# Altium PCB STM32_Controller_V2.0_ZET6.PcbDoc (part 2 of 2)
Units mil, origin at the board's own origin, x right, y up, seen from the top; angles counter-clockwise.
Board outline 3257.01 x 1920.53 mil, 2 copper layers (Top Layer, Bottom Layer); 111 components, 111 nets, 559 pads, 198 vias.
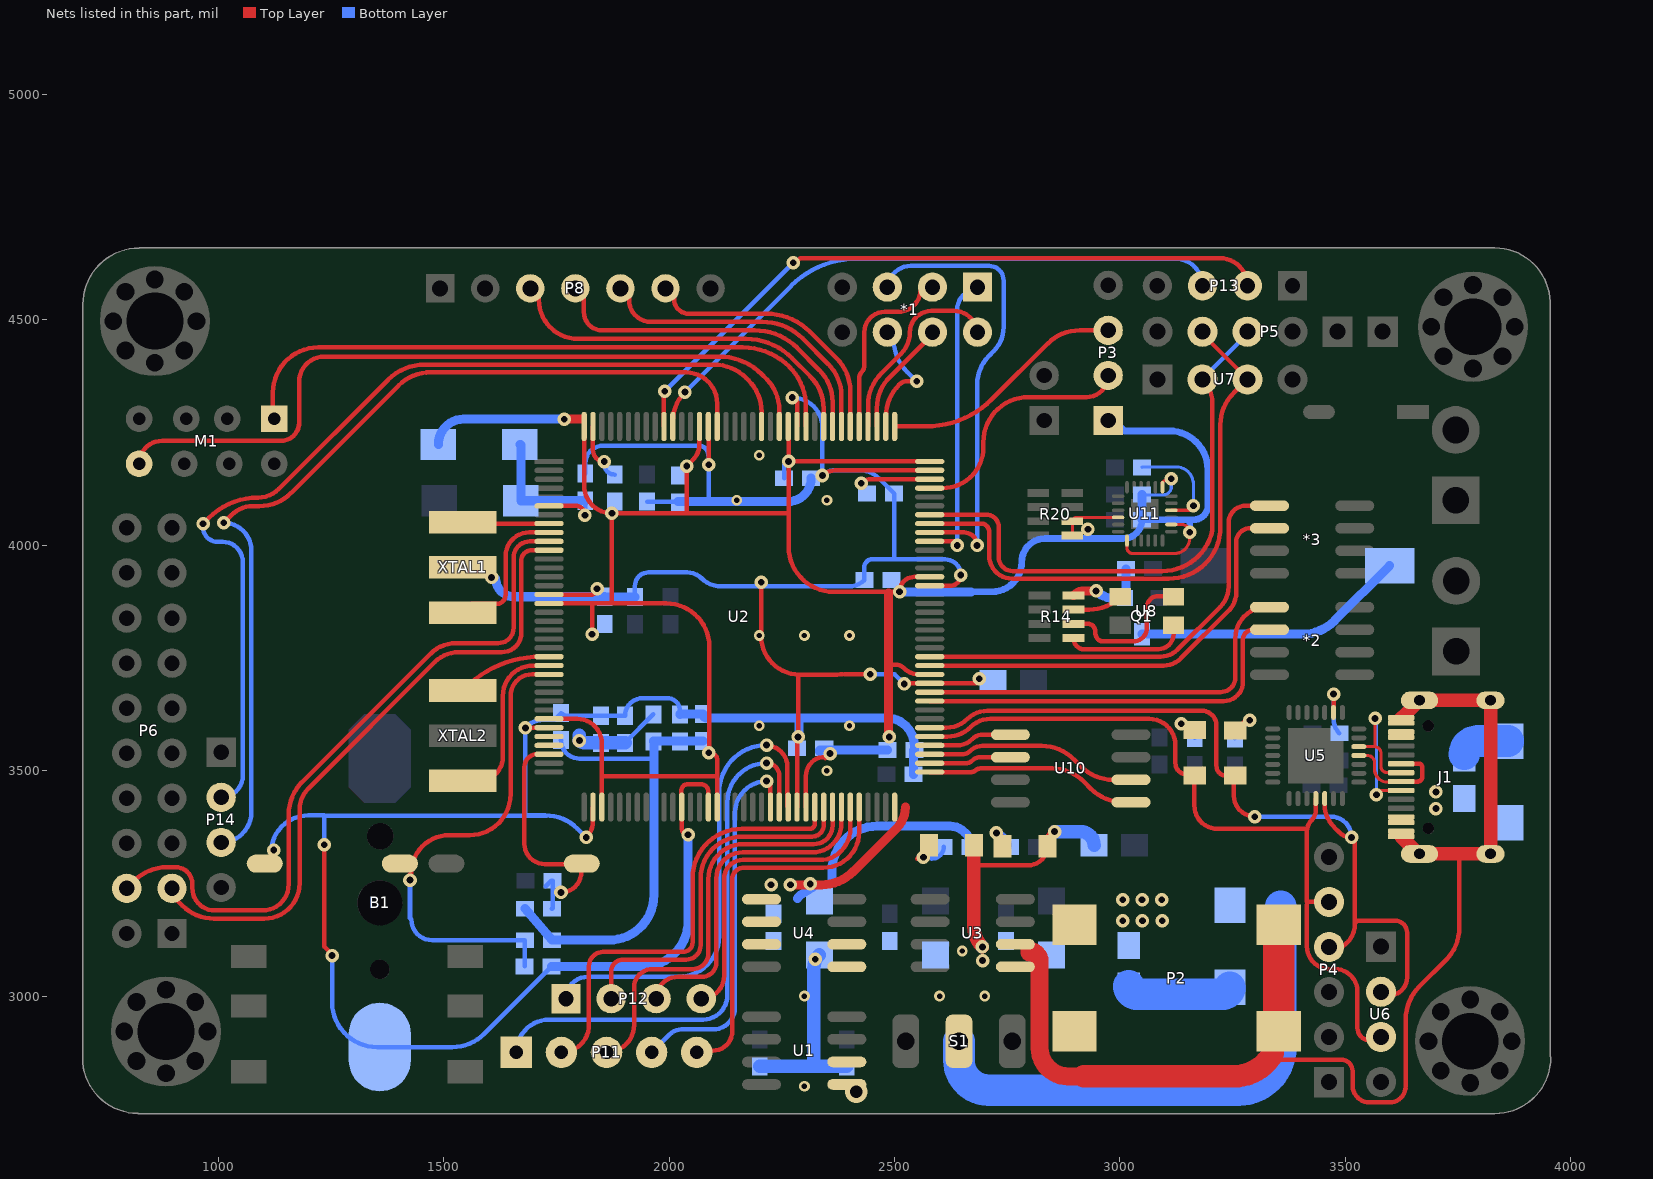
[diagram p2: the nets of this part, all layers, seen from the top]

## Via types
v1: diameter 30, hole 15, Top Layer to Bottom Layer, 128 vias
v2: diameter 24, hole 12, Top Layer to Bottom Layer, 65 vias
v3: diameter 35.43, hole 35.43, Top Layer to Bottom Layer, 2 vias
v4: diameter 50, hole 28, Top Layer to Bottom Layer, 1 vias
v5: diameter 62.99, hole 62.99, Top Layer to Bottom Layer, 1 vias
v6: diameter 70.87, hole 70.87, Top Layer to Bottom Layer, 1 vias

## Nets (pads, with @x,y where several pads share a name; then routed paths per layer and width w, separated by ;. In a path a pad name is that pad's centre, name@x,y a point inside that pad or via, vN(x,y) a via of type N, cw(c..) or ccw(c..) an arc to the next point about the centre after c; other vN are vias at no path point) (continued)
NetC14_1: C14.1 U2.106 | length 154.3
  Top Layer w10: v1(2426,4138) cw(c2447.14,4116.86) 2447.14,4146.76 U2.106@2578,4146.76
NetC15_1: C15.1 C16.1 R12.1 U2.32 U2.33 | length 203.4
  Bottom Layer w10: C16.1@1902,3562 R12.1@1965,3625
  Bottom Layer w30: v1@1800.78,3578.78 v1(1800.78,3567) ccw(c1812.85,3579.07) 1812.85,3562 C15.1@1849,3562 C16.1@1902,3562
NetC32_2: C32.2 U11.10 | length 239
  Top Layer w7: U11.10@3114.11,4077.75 3152.75,4077.75 ccw(c3152.75,4088) v1(3163,4088)
  Bottom Layer w7: C32.2@3049,4173 cw(c3050,4173) 3050,4174 3125,4174 cw(c3125,4136) 3163,4136 v1(3163,4088)
NetD1_1: D1.1 R1.2 | length 113.6
  Bottom Layer w70: R1.2@3764.2,3536.47 cw(c3793.67,3536.47) 3793.67,3565.94 D1.1@3861,3565.94
NetD3_1: D3.1 R4.2 | length 243.6
  Bottom Layer w70: R4.2@3019.8,3022.51 ccw(c3038.05,3022.51) 3038.05,3004.25 3228.25,3004.25 ccw(c3228.25,3020) D3.1@3244,3020
NetLED1_1: LED1.1 R5.2 | length 77.5
  Top Layer w10: v1(3136,3604) 3138.75,3601.25 ccw(c3166,3628.5) LED1.1@3166,3589.97
  Bottom Layer w10: v1(3136,3604) 3165.26,3574.74 cw(c3163.49,3572.97) R5.2@3166,3572.97
NetLED2_1: LED2.1 R6.2 | length 93.6
  Top Layer w10: LED2.1@3256,3588.97 3272.69,3605.66 cw(c3288,3590.35) v1(3288,3612)
  Bottom Layer w10: R6.2@3255,3571.97 cw(c3271.97,3571.97) 3259.96,3583.96 v1(3288,3612)
NetLED3_1: LED3.1 R9.2 | length 121.2
  Top Layer w10: v1(2564,3308) 2553,3308 2550,3305 ccw(c2550,3331) 2576,3331 LED3.1@2576,3335
  Bottom Layer w10: v1(2564,3308) 2580,3308 2583,3305 ccw(c2583,3331) R9.2@2609,3331
NetLED4_1: LED4.1 R11.2 | length 84.5
  Top Layer w10: v1(2726,3362) cw(c2726,3349) 2739,3349 LED4.1@2739,3333
  Bottom Layer w10: v1(2726,3362) cw(c2726,3332) 2756,3332 R11.2@2756,3331
NetP2_1: P2.1 R4.1
  other v1: 3006,3167 3050,3167 3094,3167 3006,3214 3049,3214 3093,3214
NetQ1_1: Q1.1 R14.7 R17.2 | length 193.9
  Top Layer w10: v1(2947,3899) v1@2953.76,3899
  Top Layer w20: R14.7@2897,3889 cw(c2921.14,3864.86) 2921.14,3899 v1(2947,3899)
  Bottom Layer w20: v1(2947,3899) ccw(c2985.63,3937.63) 2985.63,3883 Q1.1@3011,3883 3013.48,3885.48 3013.48,3947.52 R17.2@3013,3948
NetQ1_3: Q1.3 U9.2 | length 608.1
  Bottom Layer w20: Q1.3@3049,3803 3405.03,3803 ccw(c3405.03,3903) 3475.74,3832.29 U9.2@3598.45,3955
NetR7_2: R7.2 U5.9 | length 131.3
  Top Layer w10: U5.9@3473.9,3629.22 3473.9,3669.9 v1(3474,3670)
  Bottom Layer w10: v1(3474,3670) 3474,3614.38 ccw(c3518.38,3614.38) R7.2@3487,3583
NetR13_1: R13.1 U2.143 | length 134.3
  Top Layer w10: U2.143@1830.95,4263.88 1830.95,4211.05 ccw(c1856,4211.05) v1(1856,4186)
  Bottom Layer w10: v1(1856,4186) 1856,4180 ccw(c1879,4180) R13.1@1879,4157
NetR14_1: R14.1 U8.4 | length 275.4
  Top Layer w10: R14.1@2897,3794.51 ccw(c2923.51,3794.51) 2910.67,3771.32 ccw(c2915.53,3780.06) 2915.58,3770.06 3086.06,3770.06 ccw(c3086.06,3803) 3119,3803 U8.4@3119,3822.86
NetR14_3: R14.3 U8.3 | length 321.6
  Top Layer w10: R14.3@2897,3826.01 2928.99,3826.01 cw(c2928.99,3810) 2945,3810 2945,3807.16 ccw(c2966.44,3807.16) 2956.33,3788.25 ccw(c2961.08,3797.06) 2961.12,3787.06 3030.06,3787.06 ccw(c3030.06,3817) 3060,3817 3060,3863 cw(c3084,3863) 3084,3887 U8.3@3117.85,3887
NetR14_5: R14.5 U8.1 | length 111.5
  Top Layer w10: R14.5@2897,3857.5 2932.46,3857.5 ccw(c2932.46,3954.29) U8.1@3000.89,3885.85
NRF_CE: *1.6 U2.110 | length 303.7
  Top Layer w10: U2.110@2480.56,4263.88 2480.56,4285.14 cw(c2580.56,4285.14) 2509.85,4355.85 2512,4358 cw(c2526.49,4343.51) 2526.49,4364 v1(2549,4364) ; *1.6@2480.56,4464.56 cw(c2498,4464.56) *1.6@2498,4482
  Bottom Layer w10: *1.6@2498,4482 2498,4456.42 ccw(c2598,4456.42) 2527.29,4385.71 v1(2549,4364)
NRF_CSN: *1.3 U2.100 | length 1032.4
  Top Layer w10: U2.100@2578,4028.65 2654.35,4028.65 cw(c2654.35,4000) v1(2683,4000)
  Bottom Layer w10: *1.3@2484,4568 cw(c2536,4568) 2536,4620 2709.68,4620 cw(c2709.68,4587.69) 2742,4587.69 2742,4484 cw(c2667.16,4484) 2720.08,4431.08 2710,4421 ccw(c2775.18,4355.82) 2683,4355.82 v1(2683,4000)
NRF_IRQ: *1.1 U2.99 | length 659.8
  Top Layer w10: U2.99@2578,4008.96 2630.04,4008.96 cw(c2630.04,4000) v1(2639,4000)
  Bottom Layer w10: v1(2639,4000) 2639,4523 cw(c2684,4523) *1.1@2684,4568
NRST: C3.1 K1.1 R2.1 U2.25 | length 1093.4
  Top Layer w10: v1(1425,3257.57) 1425,3270.15 1428,3273.15 cw(c1511.85,3273.15) 1511.85,3357 1557.24,3357 ccw(c1557.24,3447.76) 1648,3447.76 1648,3666 cw(c1696,3666) 1696,3714 1733.51,3714 U2.25@1733.51,3713.68
  Bottom Layer w10: v1(1425,3257.57) 1425,3173 1428,3170 ccw(c1474,3170) 1474,3124 R2.1@1680,3124 ccw(c1680,3123.28) 1679.28,3123.28 C3.1@1679.28,3066
OLED_D0: P8.3 U2.117 | length 827.3
  Top Layer w10: P8.3@1710.88,4573.23 1710.88,4545 ccw(c1797.88,4545) 1797.88,4458 2170.19,4458 cw(c2170.19,4313.62) 2272.29,4415.71 2313.47,4374.53 cw(c2242.76,4303.81) 2342.76,4303.81 U2.117@2342.76,4263.88
OLED_D1: P8.4 U2.116 | length 764.9
  Top Layer w10: P8.4@1810.88,4573.23 1810.88,4517 ccw(c1850.88,4517) 1850.88,4477 2189.85,4477 cw(c2189.85,4343.85) 2284,4438 2333.16,4388.84 cw(c2262.45,4318.13) 2362.45,4318.13 U2.116@2362.45,4263.88
OLED_DC: P8.6 U2.114 | length 600.2
  Top Layer w10: P8.6@2010.88,4573.23 2010.88,4546.12 ccw(c2043,4546.12) 2043,4514 2215.02,4514 cw(c2215.02,4376.44) 2312.29,4473.71 2372.53,4413.47 cw(c2301.82,4342.76) 2401.82,4342.76 U2.114@2401.82,4263.88
OLED_RES: P8.5 U2.115 | length 678.1
  Top Layer w10: P8.5@1910.88,4573.23 1911,4573.23 1911,4544.11 ccw(c1959.11,4544.11) 1959.11,4496 2206.67,4496 cw(c2206.67,4369.67) 2296,4459 2352.84,4402.16 cw(c2282.13,4331.44) 2382.13,4331.44 U2.115@2382.13,4263.88
OSC32_IN: U2.8 XTAL1.1 | length 193
  Top Layer w10: XTAL1.1@1542,4051 ccw(c1544.67,4051) 1544.67,4048.33 U2.8@1733.51,4048.33
OSC32_OUT: U2.9 XTAL1.2 | length 329.8
  Top Layer w10: XTAL1.2@1542,3851 cw(c1561,3851) 1561,3870 1617,3870 ccw(c1617,3890) 1637,3890 1637,3976 cw(c1689.65,3976) 1689.65,4028.65 U2.9@1733.51,4028.65
OSC_IN: U2.24 XTAL2.2 | length 381.3
  Top Layer w10: XTAL2.2@1556.36,3478.02 1579.02,3478.02 ccw(c1579.02,3530) 1631,3530 1631,3666 cw(c1698.37,3666) 1698.37,3733.37 U2.24@1733.51,3733.37
OSC_OUT: U2.23 XTAL2.1 | length 256.1
  Top Layer w10: XTAL2.1@1542,3678.02 1547.54,3683.56 cw(c1715.18,3516.11) 1715.18,3753.06 1715.24,3753.06 U2.23@1733.51,3753.06 ; XTAL2.1@1556.36,3678.02 XTAL2.1@1600.02,3678.02
POWER_GND: C1.1 C2.1 C4.2 C5.2 C6.1 C7.2 C8.1 C9.1 J1.A1 J1.A12 J1.B1 J1.B12 J1.SH1 J1.SH2 J1.SH3 J1.SH4 LED3.2 LED4.2 P2.2 P2.3 R19.2 U1.1 U1.2 U3.1 U3.2 U4.1 U4.2 | length 3807.5
  Top Layer w10: 2680,3290 2796,3290 ccw(c2796,3333) LED4.2@2839,3333 2839,3349 cw(c2855,3349) v1(2855,3365) ; 3339.09,2872.85 ccw(c3352.94,2872.85) 3352.94,2859 3491,2859 cw(c3491,2834) 3516,2834 3516,2802 ccw(c3554,2802) 3554,2764 3598,2764 ccw(c3598,2800) 3634,2800 3634,2891 3634,2948.16 cw(c3737.41,2948.16) 3664.29,3021.29 3723.71,3080.71 ccw(c3653,3151.42) 3753,3151.42 3753,3314 ; P2.3@3352,2922 cw(c3384,2922) P2.3@3384,2954
  Top Layer w30: LED3.2@2676,3335 2676,3154.87 ccw(c2740.87,3154.87) v1(2695,3109) ; J1.A1@3623.75,3353.95 3660.33,3317.37 ccw(c3664.69,3321.74) J1.SH3@3664.69,3315.57 3753,3315.57 J1.SH2@3822.17,3315.57 J1.SH1@3822.17,3656.12 J1.SH4@3664.69,3656.12 3628.12,3619.54 cw(c3623.75,3623.91) J1.A12@3623.75,3617.73
  Top Layer w40: 2799,3097 2799,3100 cw(c2799,3077) 2822,3077 2822,2885 ccw(c2885,2885) 2885,2822 2920,2822
  Top Layer w50: 2920,2822 3252,2822 ccw(c3252,2922) 3339.09,2872.85
  Top Layer w70: P2.3@3352,2922 P2.2@3352,3158.22
  Bottom Layer w30: C1.1@2201,2844 2321,2844 ; C5.2@2333.13,3091.21 ccw(c2362.43,3061.92) 2321,3061.92 2321,2844 ; C2.1@2394,2844 2321,2844 ; v1(2855,3365) 2912.72,3365 cw(c2912.72,3335.2) R19.2@2942.51,3335.2
  other v1: 2695.17,3078.98 2324,3082
  other v2: 2300,2800 2300,3000 2600,3000 2700,3000 2650,3100
  other v4: 2415,2788
SIO_C: P6.2 U2.11 | length 1454.1
  Top Layer w10: P6.2@923.15,3239 P6.2@897,3239 ccw(c933.21,3239) 907.61,3213.39 920,3201 ccw(c990.01,3271.01) 990.01,3172 1102,3172 ccw(c1102,3250) 1180,3250 1180,3413.72 cw(c1245.86,3413.72) 1199.29,3460.29 1480.49,3741.49 cw(c1532.42,3689.56) 1532.42,3763 1629,3763 ccw(c1629,3806) 1672,3806 1672,3966 cw(c1695.28,3966) 1695.28,3989.28 U2.11@1733.51,3989.28
SIO_D: P6.19 U2.10 | length 1569.3
  Top Layer w10: P6.19@796.61,3239 814.32,3256.71 cw(c885.03,3186) 885.03,3286 905.51,3286 cw(c905.51,3249.51) 942,3249.51 942,3240 ccw(c992,3240) 992,3190 1098,3190 ccw(c1098,3248) 1156,3248 1156,3403.58 cw(c1256,3403.58) 1185.29,3474.29 1471.07,3760.07 cw(c1526.42,3704.73) 1526.42,3783 1621,3783 ccw(c1621,3817) 1655,3817 1655,3973 cw(c1690.96,3973) 1690.96,4008.96 U2.10@1733.51,4008.96
SPI2_MISO: U2.75 U10.2 | length 474.1
  Top Layer w10: U2.75@2578,3536.52 2650.15,3536.52 ccw(c2650.15,3560.85) 2667.35,3543.65 cw(c2694.77,3516.23) 2694.77,3555 2826.58,3555 cw(c2826.58,3455) 2897.29,3525.71 2913.71,3509.29 ccw(c2984.42,3580) 2984.42,3480 U10.2@3024.72,3480
SPI2_MOSI: U2.76 U10.5 | length 185.4
  Top Layer w10: U2.76@2578,3556.2 2638.7,3556.2 ccw(c2638.7,3603.3) 2672,3570 cw(c2696.14,3545.86) 2696.14,3580 U10.5@2757,3580
SPI2_NSS: U2.73 U10.1 | length 471.3
  Top Layer w10: U2.73@2578,3497.15 2670.7,3497.15 ccw(c2670.7,3510.3) 2680,3501 cw(c2689.66,3491.34) 2689.66,3505 2830.36,3505 2830.43,3505 2849.58,3505 cw(c2849.58,3405) 2920.29,3475.71 2936.71,3459.29 ccw(c3007.42,3530) 3007.42,3430 U10.1@3024.72,3430
SPI2_SCK: U2.74 U10.6 | length 182.5
  Top Layer w10: U2.74@2578,3516.83 2658.12,3516.83 ccw(c2658.12,3537.88) 2673,3523 cw(c2689.9,3506.1) 2689.9,3530 U10.6@2757,3530
SPI3_CLK: *1.7 U2.111 | length 270.8
  Top Layer w10: U2.111@2460.87,4263.88 2460.87,4304.87 cw(c2557.44,4304.87) 2489.16,4373.16 *1.7@2598,4482
SPI3_MISO: *1.8 U2.112 | length 453.7
  Top Layer w10: U2.112@2441.19,4263.88 2441.19,4310.77 cw(c2541.19,4310.77) 2470.48,4381.48 2514.5,4425.5 ccw(c2467.42,4472.58) 2534,4472.58 cw(c2581.42,4472.58) 2581.42,4520 2632,4520 cw(c2632,4468) *1.8@2684,4468 ; *1.8@2698,4482 *1.8@2698,4489
SPI3_MOSI: *1.2 U2.113 | length 429.4
  Top Layer w10: U2.113@2421.5,4263.88 2421.5,4370.32 cw(c2443.68,4370.32) 2428,4386 ccw(c2415.93,4398.07) 2433,4398.07 2433,4473 cw(c2478,4473) 2478,4518 2507.72,4518 ccw(c2507.72,4568) 2557.72,4568 2573,4568 *1.2@2584,4568 ; *1.2@2589.5,4573.5 *1.2@2598,4582
SWCLK: P3.2 U2.109 | length 548.8
  Top Layer w10: U2.109@2500.24,4263.88 2569.46,4263.88 ccw(c2569.46,4472.52) 2716.99,4324.99 2839.71,4447.71 cw(c2910.42,4377) 2910.42,4477 P3.2@2974,4477
SWDIO: P3.3 U2.105 | length 543.8
  Top Layer w10: U2.105@2578,4127.07 2607.07,4127.07 ccw(c2607.07,4217) 2624.84,4128.84 ccw(c2607.07,4217) 2695.23,4199.23 ccw(c2607.07,4217) 2697,4217 2697,4229 cw(c2797,4229) 2797,4329 2926,4329 ccw(c2926,4377) P3.3@2974,4377
SYS_3.3V: C5.1 C6.2 C18.2 C19.2 C20.2 C21.2 C22.2 C23.2 C24.2 C25.2 C26.2 C30.2 C31.2 D4.1 P3.4 R2.2 R9.1 R12.2 R13.2 R20.1 R20.3 R21.1 U2.17 U2.30 U2.39 U2.52 U2.62 U2.72 U2.84 U2.95 U2.108 U2.121 U2.131 U2.144 U4.5 U4.6 U4.7 U11.1 U11.8 U11.13 U11.22 | length 8104.1
  Top Layer w7: R20.1@2894.59,4022.01 R20.3@2894.59,4053.5 cw(c2903.09,4053.5) 2903.09,4062 U11.22@2996,4062 U11.22@3000,4062 ; U11.1@3015.68,4010.82 3015.68,3994.32 ccw(c3028,3994.32) 3028,3982 3121,3982 ccw(c3121,4016) 3155,4016 v1(3155,4029) ccw(c3137.75,4029) 3137.75,4046.25 U11.8@3114.11,4046.25 ; U11.13@3094.43,4128.93 3094.43,4137.97 ccw(c3092.97,4137.97) 3094,4139 3095.22,4140.22 cw(c3114,4121.44) 3113.5,4148 cw(c3114,4121.44) v1(3114,4148)
  Top Layer w10: U2.30@1733.51,3615.26 1795.74,3615.26 cw(c1795.74,3560.36) 1850.64,3560.36 U2.39@1850.64,3419.39 ; U2.17@1733.51,3871.17 1829,3871.17 ; U2.144@1811.27,4263.88 1811.27,4132.73 ccw(c1873,4132.73) v1(1873,4071) ; v1(1829,3803) 1829,3871.17 ; 1851,3488 2104.54,3488 cw(c2104.54,3486) 2106.54,3486 ; U2.131@2067.17,4263.88 2067.17,4225 cw(c2016.89,4225) 2052.45,4189.45 v1(2039,4176) 2039,4075.83 ccw(c2045.83,4075.83) 2041,4071 ; U2.52@2106.54,3419.39 2106.54,3486 ; U2.121@2264.02,4263.88 2265,4262.88 v1(2265,4186.13) ; U2.62@2303.39,3419.39 2303.39,3488.39 cw(c2346,3488.39) 2346,3531 v1@2346,3528 ; 2487,3735 2503.1,3735 cw(c2503.1,3711.1) 2520,3728 ccw(c2554.56,3762.56) 2554.56,3713.68 U2.84@2578,3713.68 ; U2.95@2578,3930.22 2544.22,3930.22 ccw(c2544.22,3897) v1(2511,3897) 2365,3897 cw(c2365,3997) 2265,3997 2265,4072 ; U2.108@2578,4186.13 v1(2265,4186.13) ; 1829,3871.17 1873,3871.17 ; 1873,3871.17 v1(1873,4071) ; 1873,3871.17 1993.39,3871.17 cw(c1993.39,3775.55) 2089,3775.55 2089,3541 v1(2088,3540) 2091.39,3540 2093.39,3538 cw(c2093.39,3524.84) 2106.54,3524.84 2106.54,3486 ; v1(1873,4071) 2041,4071 ; 2041,4071 2262.59,4071 ccw(c2262.59,4074.41) 2265,4072 ; 2265,4072 v1(2265,4186.13)
  Top Layer w20: v1(1767,4280) 1804,4280 ; v1(2269,3247) 2337.58,3247 ccw(c2337.58,3347) 2408.29,3276.29 2504.91,3372.91 ccw(c2458.82,3419) 2524,3419 ; 2487,3894 2487,3735 2487,3576 v1(2488,3575)
  Bottom Layer w7: C30.2@3049,4113 ccw(c3050,4113) 3050,4112 3096,4112 ccw(c3096,4130) 3114,4130 v1(3114,4148)
  Bottom Layer w10: C18.2@1760,3568 ccw(c1801,3568) 1801,3527 1966,3527 1967,3527 ; C25.2@2255,4149 2255,4176.13 cw(c2265,4176.13) v1(2265,4186.13)
  Bottom Layer w15: 2670,3897 2716,3897 ccw(c2716,3963) 2782,3963 cw(c2834,3963) 2834,4015 2929,4015 2931,4015 ; v1(2929,4036) 2929,4017 ccw(c2931,4017) 2931,4015 ; P3.4@2974,4277 2987.53,4277 3010.53,4254 3109,4254 cw(c3109,4168) 3195,4168 3195,4088 cw(c3164,4088) 3164,4057 3155,4057 3154,4057 ; v1(3155,4029) 3155,4054.59 ccw(c3151.59,4054.59) 3154,4057 ; 2931,4015 3007,4015 ccw(c3007,4057) C31.2@3049,4057 3154,4057
  Bottom Layer w20: D4.1@1487.9,4224 cw(c1543.9,4224) 1543.9,4280 v1(1767,4280) ; R21.1@1680,3194 R2.2@1740,3124 1866,3124 ccw(c1866,3224) 1966,3224 1966,3527 R12.2@1966,3566 ; R12.2@1965,3565 cw(c1966,3565) R12.2@1966,3566 ; C19.2@2075,3566 R12.2@1966,3566 ; 2284.31,3217 2291.31,3224 2308.97,3235.66 2314.56,3239.35 v1@2317.6,3241.35 ; C23.2@2333,3543 cw(c2336,3543) 2336,3546 C24.2@2484,3546 ; 2361,3256 2361,3277 cw(c2461,3277) 2461,3377 2623,3377 cw(c2623,3331) R9.1@2669,3331 ; v1(2511,3897) 2670,3897 ; C31.2@3049,4057 3049,4112 C30.2@3049,4113
  other v1: 2226,3247 2313,3249 2357,3538
SYS_GND: B1.2 C3.2 C13.2 C14.2 C15.2 C16.2 C17.1 C18.1 C19.1 C20.1 C21.1 C22.1 C23.1 C24.1 C25.1 C26.1 K1.2 R8.2 R16.2 R18.2 U2.16 U2.31 U2.38 U2.48 U2.51 U2.61 U2.83 U2.94 U2.107 U2.120 U2.130 XTAL1.3 | length 8129.5
  Top Layer w10: v1(1235,3336) 1235,3110 v1@1251,3094 ; v1(1681,3595) cw(c1682.39,3593.61) 1682.39,3595.57 U2.31@1733.51,3595.57 ; U2.16@1733.51,3890.85 1826.85,3890.85 ccw(c1826.85,3904) v1(1840,3904) ; v1(1816,3352) ccw(c1779.9,3388.1) 1830.95,3388.1 U2.38@1830.95,3419.39 ; v1(2042,3358) cw(c2042,3372.2) 2027.8,3372.2 U2.48@2027.8,3419.39 cw(c2027.8,3420.2) 2027,3420.2 2027,3456 cw(c2041,3456) 2041,3470 2071,3470 cw(c2071,3454.14) 2086.86,3454.14 U2.51@2086.86,3419.39 ; U2.130@2086.86,4263.88 cw(c2086.86,4262.74) 2088,4262.74 v1(2088,4179) ; v1(2204,3918) 2204,3798.57 ccw(c2289.37,3798.57) 2289.37,3713.21 2372.97,3713.21 cw(c2385.57,3614.44) 2385.57,3714 ; v1(2273,4328) cw(c2273,4317.29) 2283.71,4317.29 U2.120@2283.71,4263.88 ; U2.61@2283.71,3419.39 v1@2283.71,3566.29 ; v1(2286,3575) 2286,3712 ; v1(2340,4155) cw(c2367.62,4127.38) 2367.62,4166.44 U2.107@2578,4166.44 ; 2389,3714 v1(2446,3714) ; v1(2521.5,3692.5) 2525,3689 cw(c2530,3689) 2530,3694 U2.83@2578,3694 2678,3694 ccw(c2678,3704) v1(2688,3704) ; U2.94@2578,3910.54 2623.54,3910.54 ccw(c2623.54,3934) v1(2647,3934)
  Bottom Layer w10: v1(1122.55,3324) 1120.48,3321.93 1118.14,3324.27 1118.14,3332.29 1118.14,3333.23 cw(c1199.55,3318.22) 1199.55,3401 1235,3401 v1(1235,3336) ; 1235,3400 1727.99,3400 ; v1(1252,3090) 1252,2987 ccw(c1352,2987) 1352,2887 B1.2@1358,2887 1518.86,2887 ccw(c1518.86,2987) 1589.57,2916.29 C3.2@1739.28,3066 ; C17.1@1814,4159 1814,4182 cw(c1853,4182) 1853,4221 2066,4221 cw(c2066,4200) 2087,4200 cw(c2087,4199) 2088,4199 v1(2088,4179) 2088,4102 ; v1(1816,3352) 1796.29,3371.71 ccw(c1725.58,3301) 1725.58,3401 1681,3401 v1(1681,3595) 1683.83,3597.83 cw(c1720.24,3561.47) 1720.24,3612.93 1744.93,3612.93 1747.86,3615.86 C18.1@1760,3628 ccw(c1774.49,3642.49) 1774.49,3622 C15.2@1849,3622 C16.2@1902,3622 cw(c1941,3622) 1941,3661 1996,3661 cw(c1996,3633) 2024,3633 C21.1@2024,3625 ; R16.2@1924,3885 1924,3910 cw(c1954,3910) 1954,3940 2039.63,3940 cw(c2039.63,3893.95) 2072.17,3926.54 ccw(c2112.67,3966.97) 2090.73,3914.11 ccw(c2116.39,3975.94) 2116.39,3909 2116.45,3909 2399.2,3909 ccw(c2399.2,3956.8) C26.1@2433,3923 2433,3952 cw(c2450,3952) 2433.79,3957.12 cw(c2450,3952) 2450,3969 2612,3969 cw(c2612,3934) v1(2647,3934) ; R8.2@1951,4097 2020,4097 cw(c2020,4095) C22.1@2022,4095 2048.37,4095 ccw(c2048.37,4134.63) 2060.8,4097 ; v1(2273,4328) cw(c2273,4261) 2340,4261 v1(2340,4155) cw(c2368.97,4126.03) 2368.97,4167 2422,4167 cw(c2422,4106.64) 2464.68,4149.32 C14.2@2499,4115 2499,3973 ; v1(2446,3714) 2500,3714 v1@2518,3696 ; v1@2518,3696 cw(c2518,3689) 2525,3689 v1(2521.5,3692.5) v1@2518,3696
  Bottom Layer w20: v1@1615,3927 ccw(c1656,3927) 1656,3886 C20.1@1857,3886 ccw(c1859.41,3888.41) 1859.41,3885 R16.2@1924,3885 ; C3.2@1739.28,3066 1942,3066 ccw(c1942,3166) 2042,3166 v1(2042,3358) ; C22.1@2020,4097 2060.8,4097 2263,4097 ccw(c2263,4149) C25.1@2315,4149 ; C21.1@2024,3625 cw(c2025,3625) 2025,3626 C19.1@2075,3626 ccw(c2084,3626) 2084,3617 2283,3617 ; v1(2286,3575) ccw(c2286,3577) 2288,3577 2287.91,3577.09 2287.91,3583.98 2288,3584.07 2288,3612 2283,3617 ; C13.2@2542,3492 2542,3544 cw(c2544,3544) C24.1@2544,3546 2544,3555 ccw(c2482,3555) 2482,3617 2283,3617
  other v1: 1606,3929
  other v2: 2350,3500 2200,3600 2400,3600 2200,3800 2300,3800 2400,3800 2150,4100 2350,4100 2200,4200
TIM1_BKIN: P11.5 U2.68 | length 839.7
  Top Layer w10: P11.5@2061,2875 cw(c2065,2875) 2065,2879 2097,2879 ccw(c2097,2922) 2140,2922 2140,3259.42 cw(c2165.58,3259.42) 2165.58,3285 2342.21,3285 ccw(c2342.21,3364.29) 2421.5,3364.29 U2.68@2421.5,3419.39
TIM1_CH1: P12.1 U2.60 | length 1067.6
  Top Layer w10: v1(2216,3557) 2216,3555.56 cw(c2216,3509.31) 2262.24,3509.31 2262.24,3421.17 U2.60@2264.02,3419.39
  Bottom Layer w10: P12.1@1771.15,2994.43 cw(c1819.72,2994.43) 1819.72,3043 2021,3043 ccw(c2021,3133) 2111,3133 2111,3452 cw(c2216,3452) v1(2216,3557)
TIM1_CH1N: P11.1 U2.59 | length 1219.1
  Top Layer w10: v1(2216,3517) cw(c2216,3488.66) 2244.34,3488.66 U2.59@2244.34,3419.39
  Bottom Layer w10: P11.1@1661,2875 cw(c1734,2875) 1734,2948 2075.34,2948 ccw(c2075.34,3001.66) 2129,3001.66 2129,3430 cw(c2216,3430) v1(2216,3517)
TIM1_CH2: P12.2 U2.64 | length 821.1
  Top Layer w10: P12.2@1871.15,2994.43 1871,2994.43 1871,3054 cw(c1898,3054) 1898,3081 2038,3081 ccw(c2038,3112.62) 2069.62,3112.62 2069.62,3261.19 cw(c2162.43,3261.19) 2162.43,3354 2317.57,3354 ccw(c2317.57,3379.19) 2342.76,3379.19 U2.64@2342.76,3419.39
TIM1_CH2N: P11.2 U2.63 | length 1006.1
  Top Layer w10: P11.2@1761,2875 ccw(c1761,2936) 1822,2936 1822,3067 cw(c1853,3067) 1853,3098 2031,3098 ccw(c2031,3118.85) 2051.85,3118.85 2051.85,3261.69 cw(c2161.17,3261.69) 2161.17,3371 2311.49,3371 ccw(c2311.49,3382.59) 2323.08,3382.59 U2.63@2323.08,3419.39
TIM1_CH3: P12.3 U2.66 | length 765.8
  Top Layer w10: P12.3@1971.15,3011.08 P12.3@1971.15,2994.43 cw(c2019.72,2994.43) 2019.72,3043 2073,3043 ccw(c2073,3074.5) 2104.5,3074.5 2104.5,3260.77 cw(c2162.73,3260.77) 2162.73,3319 2318.14,3319 ccw(c2318.14,3383) 2382.13,3383 U2.66@2382.13,3419.39
TIM1_CH3N: P11.3 U2.65 | length 936.1
  Top Layer w10: P11.3@1861,2875 ccw(c1861,2936) 1922,2936 1922,3019 cw(c1963,3019) 1963,3060 2052,3060 ccw(c2052,3094.96) 2086.96,3094.96 2086.96,3259.91 cw(c2164.05,3259.91) 2164.05,3337 2320.72,3337 ccw(c2320.72,3378.73) 2362.45,3378.73 U2.65@2362.45,3419.39
TIM1_CH4: P12.4 U2.67 | length 687
  Top Layer w10: P12.4@2071.15,2994.43 ccw(c2071.15,3045.28) 2122,3045.28 2122,3261 cw(c2163,3261) 2163,3302 2341.97,3302 ccw(c2332.12,3371) 2401.82,3371 U2.67@2401.82,3419.39
TIM1_ETR: P11.4 U2.58 | length 837
  Top Layer w10: v1(2216,3477) cw(c2216,3468.35) 2224.65,3468.35 U2.58@2224.65,3419.39
  Bottom Layer w10: P11.4@1961,2875 2001.39,2915.39 cw(c2027,2889.79) 2027,2926 2097,2926 ccw(c2097,2975) 2146,2975 2146,3406.57 cw(c2216,3406.57) 2216,3476.57 v1(2216,3477)
TIM4_CH1: *2.2 U2.81 | length 884.7
  Top Layer w10: U2.81@2578,3654.63 3230.63,3654.63 ccw(c3230.63,3697) 3273,3697 3273,3791 cw(c3295,3791) 3295,3813 *2.2@3332,3813
TIM4_CH2: *2.1 U2.82 | length 899
  Top Layer w10: U2.82@2578,3674.32 3223.32,3674.32 ccw(c3223.32,3707) 3256,3707 3256,3794 cw(c3325,3794) 3325,3863 *2.1@3332,3863
TIM4_CH3: *3.2 U2.85 | length 959.5
  Top Layer w10: U2.85@2578,3733.37 3096.95,3733.37 ccw(c3096.95,3787.5) 3135.22,3749.22 3242.15,3856.15 ccw(c3203.87,3894.42) 3258,3894.42 3258,3899.83 3258,3900.04 3258,4007 cw(c3289,4007) 3289,4038 *3.2@3332,4038
TIM4_CH4: *3.1 U2.86 | length 992.1
  Top Layer w10: U2.86@2578,3753.06 3090.04,3753.06 3090.26,3753.06 ccw(c3090.26,3805.68) 3127.47,3768.47 3222.32,3863.32 ccw(c3177.21,3908.42) 3241,3908.42 3241,3910.29 3241,3910.35 3241,4050 cw(c3279,4050) 3279,4088 *3.1@3332,4088
TYPE-C_DM: J1.A7 J1.B7 U5.5 | length 433.5
  Top Layer w7: U5.5@3530,3553.43 3564.57,3553.43 ; v1(3566,3616) 3566,3554.87 cw(c3564.57,3554.87) 3564.57,3553.43 ; v1(3569,3447) cw(c3578.31,3447) 3578.31,3456.31 J1.B7@3623.75,3456.31 ; J1.A7@3623.75,3495.68 3623.75,3496 3593,3496 cw(c3593,3510) 3579,3510 3579,3539 ccw(c3564.57,3539) 3564.57,3553.43
  Bottom Layer w7: v1(3566,3616) cw(c3566,3613) 3569,3613 v1(3569,3447)
TYPE-C_DP: J1.A6 J1.B6 U5.4 | length 260.8
  Top Layer w7: U5.4@3530,3533.75 3549.25,3533.75 cw(c3549.25,3518) 3565,3518 3565,3503 ccw(c3593,3503) 3593,3475 3622.75,3475 ccw(c3622.75,3476) J1.A6@3623.75,3476
  Top Layer w10: J1.A6@3623.75,3476 3660,3476 ccw(c3660,3487) 3671,3487 3671,3507 ccw(c3662,3507) 3662,3516 3623.75,3516 J1.B6@3623.75,3515.37
TYPE-C_VBUS: J1.A4 J1.A9 J1.B4 J1.B9 R1.1
  other v1: 3701,3416 3701,3453
U6_RX: P14.2 U2.124 | length 2151.3
  Top Layer w10: v1(966,4048) 978.84,4060.84 cw(c1087.87,3951.8) 1087.87,4106 ccw(c1087.87,4171.5) 1134.18,4125.18 1376.47,4367.47 cw(c1457.42,4286.51) 1457.42,4401 2099.58,4401 cw(c2099.58,4301) 2170.29,4371.71 2176,4366 cw(c2106.06,4296.06) 2204.97,4296.06 U2.124@2204.97,4263.88
  Bottom Layer w10: v1(966,4048) 966,4040 ccw(c998,4040) 998,4008 1009.23,4008 cw(c1009.23,3963.23) 1054,3963.23 1054,3489 cw(c1006,3489) P14.2@1006,3441
U6_TX: P14.3 U2.129 | length 2093.7
  Top Layer w10: v1(1012,4050) 1029.91,4067.91 ; 1029.93,4067.93 cw(c1076,4021.82) 1034.4,4072 cw(c1076,4021.82) 1076,4087 1090.58,4087 ccw(c1090.58,4187) 1161.29,4116.29 1399.71,4354.71 cw(c1470.42,4284) 1470.42,4384 1784,4384 2034.81,4384 cw(c2034.81,4374) 2037.49,4383.63 cw(c2037.49,4314.58) 2106.54,4314.58 U2.129@2106.54,4263.88
  Bottom Layer w10: P14.3@1006,3341 ccw(c1006,3408) 1073,3408 1073,3989 ccw(c1012,3989) v1(1012,4050)
ULTRASONIC_ECHO: P13.3 U2.134 | length 1379.3
  Top Layer w10: U2.134@2008.12,4263.88 2008.12,4275.1 cw(c2099.9,4275.1) v1(2035,4340)
  Bottom Layer w10: v1(2035,4340) 2270.51,4575.51 cw(c2416.49,4429.62) 2416.49,4636 3123,4636 cw(c3123,4576) P13.3@3183,4576
ULTRASONIC_TRIG: P13.2 U2.135 | length 1528.5
  Top Layer w10: U2.135@1988.43,4263.88 1988.43,4338.22 cw(c1993.78,4338.22) v1(1990,4342) ; v1(2275,4627) 2280.41,4627 2290.41,4637 3222,4637 cw(c3222,4576) P13.2@3283,4576
  Bottom Layer w10: v1(1990,4342) v1(2275,4627)
USART1_RX: P5.4 U2.102 U7.2 | length 1258.4
  Top Layer w10: U2.102@2578,4068.02 2703.98,4068.02 cw(c2703.98,4041) 2731,4041 2731,3974 ccw(c2762,3974) 2762,3943 3094.09,3943 ccw(c3094.09,4056.17) 3205,4033.66 3205,4034.68 3205,4315.89 ccw(c3129.89,4315.89) U7.2@3183,4369
  Bottom Layer w10: U7.2@3183,4369 3279.46,4465.46 ccw(c3270.93,4474) P5.4@3283,4474
USART1_TX: P5.5 U2.101 U7.3 | length 1297.9
  Top Layer w10: U2.101@2578,4048.33 2691.67,4048.33 cw(c2691.67,4030) 2710,4030 2710,3977 ccw(c2761,3977) 2761,3926 3108.48,3926 ccw(c3108.48,4040.52) 3223,4040.52 3223,4267.58 cw(c3323,4267.58) 3252.29,4338.29 3283,4369 3186.54,4465.46 cw(c3195.07,4474) P5.5@3183,4474
USART2_RX: M1.8 U2.122 | length 1757.8
  Top Layer w10: M1.8@824,4181 cw(c875,4181) 875,4232 1139,4232 ; 1179.25,4272.25 cw(c1139,4272.25) 1139,4232 ; U2.122@2244.34,4263.88 2244.34,4300.58 ccw(c2147.58,4300.58) 2216,4369 2205.29,4379.71 ccw(c2110.44,4284.86) 2110.44,4419 1235,4419 ccw(c1235,4363) 1179,4363 1179,4272 cw(c1139,4272) 1139,4232
USART2_TX: M1.1 U2.119 | length 1416
  Top Layer w10: M1.1@1124,4281 cw(c1124,4284) 1121,4284 1121,4339 cw(c1221,4339) 1221,4439 2163.3,4439 2163.36,4439 cw(c2163.36,4292.97) 2266.62,4396.22 cw(c2177.87,4307.46) 2303.39,4307.46 2303.39,4307.4 U2.119@2303.39,4263.88
USART3_RX: LED2.2 P4.4 U2.78 U5.26 U6.2 | length 1898.4
  Top Layer w10: U2.78@2578,3595.57 2615.1,3595.57 ccw(c2615.1,3661.9) 2662,3615 cw(c2705.46,3571.54) 2705.46,3633 3182,3633 cw(c3182,3601) 3214,3601 3214,3511 ccw(c3236.03,3511) 3236.03,3488.97 LED2.2@3256,3488.97 ccw(c3256,3485.97) 3253,3485.97 3253,3444.1 ccw(c3298.07,3444.1) 3298.07,3399.04 v1(3299,3398.07) ccw(c3307.07,3398.07) v1@3307.07,3390 ; U5.26@3454.21,3438.28 3454.21,3425.19 ccw(c3525.19,3425.19) 3475,3375 3486.69,3363.31 ccw(c3514,3390.63) v1(3514,3352) cw(c3514,3345) 3521,3345 3521,3159 ; P4.4@3464,3102 ccw(c3464,3159) 3521,3159 ; U6.2@3580,3002 3598,3002 ccw(c3598,3041) 3637,3041 3637,3141 ccw(c3611,3141) 3611,3167 3529,3167 ccw(c3529,3159) 3521,3159
  Bottom Layer w10: v1(3299,3398.07) 3467.93,3398.07 cw(c3467.93,3352) v1(3514,3352)
USART3_TX: LED1.2 P4.5 U2.77 U5.25 U6.3 | length 1723
  Top Layer w10: U2.77@2578,3575.89 2617.43,3575.89 ccw(c2617.43,3649.57) 2669.53,3597.47 cw(c2711.85,3555.15) 2711.85,3615 3064.9,3615 cw(c3064.9,3556.9) 3123,3556.9 3123,3516.92 ccw(c3147.92,3516.92) 3147.92,3492 3163.96,3492 cw(c3163.96,3489.97) LED1.2@3166,3489.97 ccw(c3164.96,3489.97) LED1.2@3164.96,3491 ; LED1.2@3165,3488.97 3165,3423 ccw(c3217,3423) 3217,3371 3409.14,3371 ; 3415,3203 3415,3110 ccw(c3465,3110) 3465,3060 3477,3060 cw(c3477,3010) 3527,3010 3527,2929 ccw(c3554,2929) 3554,2902 U6.3@3580,2902 ; U5.25@3434.53,3438.28 3434.53,3413 cw(c3402,3413) 3425,3390 ccw(c3449.14,3365.86) 3415,3365.86 3415,3210 ccw(c3416,3210) 3416,3209 P4.5@3464,3209
VBAT: C17.2 D4.2 D5.2 U2.6 | length 393
  Top Layer w10: U2.6@1733.51,4087.7 1792.3,4087.7 cw(c1792.3,4067) v1(1813,4067)
  Bottom Layer w10: v1(1813,4067) ccw(c1813,4068) 1814,4068 C17.2@1814,4099
  Bottom Layer w20: D4.2@1669,4224 cw(c1669,4221.9) 1671.1,4221.9 D5.2@1671.1,4099 C17.2@1814,4099
VCC_PROWER: D1.2 D3.2 S1.2 | length 1161.2
  Bottom Layer w70: S1.2@2643,2900 2643,2857.43 ccw(c2709,2857.43) 2709,2791.43 3262.43,2791.43 ccw(c3262.43,2886) 3357,2886 3357,3199
WKUP_KEY: C33.1 K2.1 R21.2 U2.34 | length 561.3
  Top Layer w10: U2.34@1733.51,3536.52 1706.52,3536.52 ccw(c1706.52,3509) 1679,3509 1679,3338 ccw(c1724,3338) 1724,3293 1805,3293 1805,3275 cw(c1760,3275) v1(1760,3230)
  Bottom Layer w10: C33.1@1726,3244 C33.1@1738,3256 ; R21.2@1740,3194 ccw(c1740,3195.28) 1741.28,3195.28 C33.1@1741.28,3256
pads on no net: B1.0 J1.0 J1.A5 J1.A8 J1.B5 J1.B8 M1.2 M1.3 M1.6 P1.1 P4.1 P4.6 P5.1 P5.6 P6.10 P6.11 P15.1 P16.1 P17.1 S1.1 U1.8 U2.7 U2.12 U2.13 U2.14 U2.15 U2.18 U2.19 U2.20 U2.21 U2.26 U2.27 U2.28 U2.29 U2.35 U2.36 U2.37 U2.41 U2.49 U2.50 U2.53 U2.54 U2.55 U2.56 U2.57 U2.69 U2.70 U2.79 U2.80 U2.91 U2.92 U2.93 U2.118 U2.123 U2.125 U2.126 U2.127 U2.128 U2.132 U2.133 U2.139 U2.140 U3.8 U4.8 U5.1 U5.2 U5.10 U5.11 U5.12 U5.13 U5.14 U5.15 U5.16 U5.17 U5.18 U5.19 U5.20 U5.21 U5.22 U5.23 U5.24 U5.27 U5.28 U11.2 U11.3 U11.4 U11.5 U11.6 U11.7 U11.12 U11.14 U11.15 U11.16 U11.17 U11.19 U11.21 U11.25
copper on no net:
  other v3: 1220.49,3046.81 1393.71,3046.81
  other v5: 3125.62,2918.06
  other v6: 3125.62,3095.23

## Polygon pours and split planes (outlines as drawn)
GND on Bottom Layer "GND_L02_P048" (solid, remove dead copper, pour order 48): 804.13,4654.92 ccw(c804.13,4554.92) 704.13,4554.92 704.13,2844.43 ccw(c804.13,2844.43) 804.13,2744.43 3850.15,2744.43 ccw(c3850.15,2844.43) 3950.15,2844.43 3950.15,4554.92 ccw(c3850.15,4554.92) 3850.15,4654.92
POWER_GND on Bottom Layer "POWER_GND_L02_P038" (solid, remove dead copper, pour order 38): 2255,3154 2243,3154 ccw(c2243,3100) 2189,3100 2189,2745 2920,2745 2920,3158 ccw(c2915,3158) 2915,3163
SYS_GND on Bottom Layer "SYS_GND_L02_P031" (solid, remove dead copper, pour order 31): 2626,4375 cw(c2626,4275) 2726,4275 2726,3466 cw(c2626,3466) 2626,3366 1678,3366 cw(c1678,3466) 1578,3466 1578,4287 cw(c1666,4287) 1666,4375
VCC_PROWER on Bottom Layer "VCC_PROWER_L02_P020" (solid, remove dead copper, pour order 20): 3368,3322
VCC_PROWER on Bottom Layer "VCC_PROWER_L02_P019" (solid, remove dead copper, pour order 19): 3361,3272 3361,3149 ccw(c3364,3149) 3364,3146 3819,3146 ccw(c3819,3246) 3919,3246 3919,3346 ccw(c3917,3346) 3917,3348 3867,3348 cw(c3790,3348) 3790,3271 3405,3271
GND on Top Layer "GND_L01_P047" (solid, remove dead copper, pour order 47): 804.13,4654.92 ccw(c804.13,4554.92) 704.13,4554.92 704.13,2844.8 ccw(c804.13,2844.8) 804.13,2744.8 3850.68,2744.8 ccw(c3850.68,2844.8) 3950.68,2844.8 3950.68,4554.92 ccw(c3850.68,4554.92) 3850.68,4654.92
SYS_GND on Top Layer "SYS_GND_L01_P033" (solid, remove dead copper, pour order 33): 1580,3947
SYS_GND on Top Layer "SYS_GND_L01_P032" (solid, remove dead copper, pour order 32): 1653,4372 ccw(c1653,4297) 1578,4297 1578,3467 ccw(c1678,3467) 1678,3367 2627,3367 ccw(c2627,3466) 2726,3466 2726,4274 ccw(c2626,4274) 2626,4374 2614,4374
TYPE-C_VBUS on Top Layer "TYPE-C_VBUS_L01_P026" (solid, remove dead copper, pour order 26): 3607,3592 3686,3592 cw(c3686,3556) 3722,3556 3722,3409 cw(c3694,3409) 3694,3381 3603,3381 cw(c3603,3391) 3593,3391 cw(c3603,3391) 3603,3401 3663,3401 ccw(c3663,3422) 3684,3422 3684,3547.12 ccw(c3663.12,3547.12) 3663.12,3568 3609,3568 cw(c3609,3570) 3607,3570

## Keep-outs
Keep-Out Layer:
  lines w10: 703.7,2862.91 ccw(c821.81,2862.91) 821.81,2744.8 ; 704.13,2862.91 704.13,4534.38 cw(c824.4,4534.38) 824.4,4654.66 ; 822.81,2744.43 3832,2744.43 ccw(c3832,2863.11) 3950.68,2863.11 ; 825.4,4654.92 3831.93,4654.92 cw(c3831.93,4537.5) 3949.36,4537.5 ; 3950.15,2863.11 3950.15,4537.5

## Other copper
Top Layer:
  rectangle net SYS_GND: 1580,3890 1621.71,3947
  rectangle net SYS_GND: 1664,3570.5 1686,3626
  rectangle net SYS_GND: 2308,4127 2380,4171
  rectangle net SYS_GND: 2170,3881 2246,3955
  rectangle net SYS_GND: 2413,3676 2465,3753
  rectangle net SYS_GND: 2261.5,3551.45 2311,3609
  rectangle net POWER_GND: 3287,2856.41 3398,3221.41
  rectangle net POWER_GND: 2341,2779 2438,2880
  rectangle net POWER_GND: 2332,3034 2444,3141
  rectangle net POWER_GND: 2658,3042.76 2736.5,3133.5
  rectangle net POWER_GND: 2711,3034 2830.5,3142.62
  rectangle net TYPE-C_VBUS: 3667,3390.71 3718.81,3420
  rectangle net TYPE-C_VBUS: 3684,3400 3721,3492
  region net POWER_GND: 3652,3622 3595,3622 3595,3601 3652,3601
  region net TYPE-C_VBUS: 3651,3590.08 3596.36,3590.08 3596.36,3568 3651,3568
  region net POWER_GND: 3652,3371 3595,3371 3595,3349 3652,3349
  region net SYS_3.3V: 2918,4051 2871,4051 2871,4017 2918,4017
  region net Net*3_7: 3564,4100 3477,4100 3477,4026 3564,4026
  region net Net*3_5: 3564,3999 3478,3999 3478,3926 3564,3926
  region net SYS_3.3V: 2538,3627 2494,3627 2494,3387 2538,3387
  region net 5V: 2498,3230 2350,3230 2350,3153 2498,3153
  region net 5V: 2627,3267 2465,3267 2465,3101 2627,3101
  region net NetC15_1: 1821,3582 1704,3582 1704,3550 1821,3550
  region net Net*2_7: 3565,3903 3454,3903 3454,3801 3565,3801
  region net SYS_3.3V: 2320,3271 2161,3271 2161,3163 2320,3163
  region net POWER_GND: 2334.12,3086.4 2270,3086.4 2270,2792 2334.12,2792
  region net POWER_GND: 2437,3127 2270,3127 2270,3053 2437,3053
  region net POWER_GND: 2438,2867 2270,2867 2270,2792 2438,2792
  region net POWER_GND: 2837,3124 2674,3124 2674,3064 2837,3064
  region net 3.3V: 2250,2968 2158,2968 2158,2842 2250,2842
  region net SYS_3.3V: 2248,3229 2161,3229 2161,3105 2248,3105
  region net 5V: 2471,2981 2351,2981 2351,2891 2471,2891
  region net 5V: 2627,3268 2451,3268 2451,3153 2627,3153
  region net ADC_PROWER: 2836,3265 2713,3265 2713,3155 2836,3155
  region net TYPE-C_VBUS: 3663.12,3592 3637,3592 3637,3568 3663.12,3568
  region net TYPE-C_VBUS: 3665,3403 3591,3403 3591,3379 3665,3379
  region net NetP2_1: 2948,3164 2856,3164 2856,2885 2948,2885
  region net NetP2_1: 3111,3255 2851,3255 2851,3139 3111,3139
Bottom Layer:
  rectangle net SYS_GND: 2170,3919 2222.02,3936.02
  rectangle net SYS_GND: 2403,3895.5 2465,3961
  rectangle net SYS_GND: 2403,3703 2480,3746
  rectangle net SYS_GND: 2249,3503 2305,3605
  rectangle net SYS_GND: 1648,3560 1712,3629
  rectangle net SYS_GND: 1801,3886 1962,3938
  rectangle net SYS_GND: 1578,3900 1654,3962.71
  rectangle net SYS_GND: 2240,4296 2304,4356
  rectangle net SYS_GND: 2320,4121.5 2371,4181
  rectangle net SYS_GND: 2481,4076 2554,4162
  rectangle net SYS_GND: 2064.45,4152 2126,4225
  region net VCC_PROWER: 3423.19,3273 3279,3273 3279,3147 3423.19,3147
  region net VCC_PROWER: 3918,3290.88 3853.86,3290.88 3853.86,3256 3918,3256
  region net VCC_PROWER: 3399.36,3253 3266,3253 3266,3146 3399.36,3146
  region net SYS_3.3V: 2372,3271 2203,3271 2203,3163 2372,3163
  region net 3.3V: 2251,2968 2158,2968 2158,2884 2251,2884
  region net 5V: 2436,2981 2351,2981 2351,2891 2436,2891
  region net POWER_GND: 2879,3124 2217,3124 2217,3063 2879,3063
  region net 5V: 2623.37,3267 2472,3267 2472,3162 2623.37,3162
  region net ADC_PROWER: 2962,3267 2713,3267 2713,3155 2962,3155
  region net VCC_PROWER: 3312,3216.85 3198,3216.85 3198,3144 3312,3144
  region net TYPE-C_VBUS: 3790,3469 3682,3469 3682,3397.42 3790,3397.42
  region net VCC_PROWER: 3290,3273 3197,3273 3197,3161 3290,3161
  region net VCC_PROWER: 3920,3423 3861,3423 3861,3279 3920,3279
  region net NetP2_1: 3111,3254 2992,3254 2992,3139 3111,3139

## Silkscreen, mask and mechanical layers (free items; w line width, h text height)
Top Overlay:
  lines w7: 2770,4430 2770,4625 2915,4625 2915,4430 2770,4430 ; 3103.58,4160 3425,4160 3425,4305 3103.58,4305 3103.58,4160 ; 3640,3040 3671,3040 3810,3040 3810,3280 3640,3280 3640,3040
  text "GND" at 2785,4580 h60
  text "CLK" at 2793,4532 h60
  text "DIO" at 2800,4485 h60
  text "VCC" at 2790,4440 h60
  text "5V" at 2705,4355 h60
  text "GND" at 2660,4255 h60
  text "G  E   T   V" at 3110,4255 h60
  text "Tx Rx G 5" at 3110,4210 h60
  text "5V Rx Tx G" at 3110,4165 h60
  text "5V" at 1070,3520 h50
  text "Rx" at 1071,3429 h50
  text "Tx" at 1063,3323 h50
  text "Tx" at 3650,3235 h60
  text "G" at 1073,3218 h50
  text "Rx  5V" at 3650,3190 h60
  text "G   Rx" at 3655,3145 h60
  text "5V  Tx" at 3650,3100 h60
  text "CH1" at 1742,3095 h40
  text "CH2" at 1838,3095 h40
  text "CH3" at 1936,3095 h40
  text "CH4" at 2038,3095 h40
  text "E9" at 1748,3055 h40
  text "E11" at 1842,3055 h40
  text "E13" at 1942,3055 h40
  text "E14" at 2041,3055 h40
  text "G" at 3655,3055 h60
  text "E8" at 1634,2789.44 h40
  text "E10" at 1731,2789.44 h40
  text "E12" at 1828,2789 h40
  text "E7" at 1948,2789 h40
  text "E15" at 2038,2789.44 h40
  text "CH1N" at 1600,2756 h40
  text "CH2N" at 1710,2756 h40
  text "CH3N" at 1816,2756 h40
  text "ETR" at 1935,2755.56 h40
  text "BKIN" at 2035,2755.56 h40
Bottom Overlay:
  text "B2003.1 2020/06/29" at 1440,4595.67 h60

## Text inside footprints (layer, text, board x,y; h text height)
U2: Top Overlay "LQFP144" at 1864.38,4101.09 h60